# Altium PCB SP100 ATC CCU (PCB).PcbDoc (part 3 of 3)
Units mm, origin at the board's own origin, x right, y up, seen from the top; angles counter-clockwise.
Board outline 175.51 x 59.9 mm, 2 copper layers (Top Layer, Bottom Layer); 222 components, 146 nets, 708 pads, 190 vias.
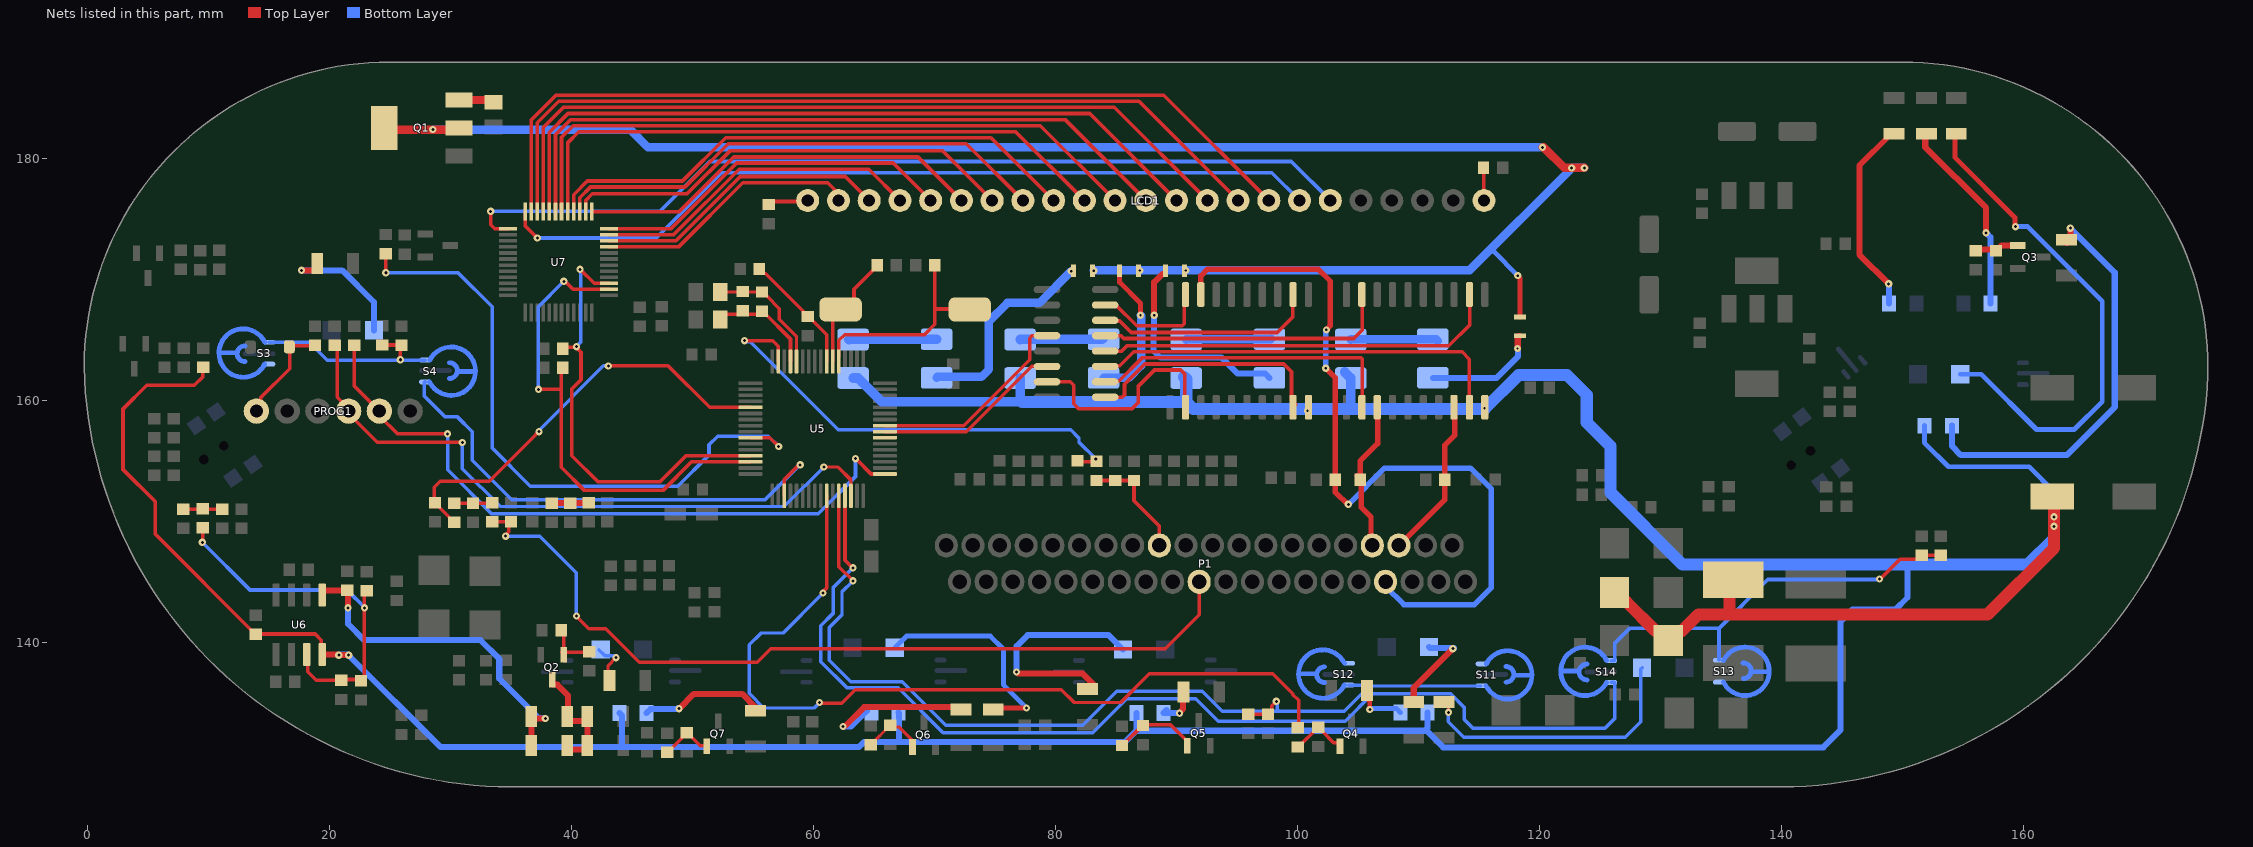
[diagram p3: the nets of this part, all layers, seen from the top]

## Via types
v1: diameter 0.6, hole 0.25, Top Layer to Bottom Layer, tented both sides, 151 vias
v2: diameter 0.6, hole 0.2, Top Layer to Bottom Layer, 39 vias

## Nets (pads, with @x,y where several pads share a name; then routed paths per layer and width w, separated by ;. In a path a pad name is that pad's centre, name@x,y a point inside that pad or via, vN(x,y) a via of type N, cw(c..) or ccw(c..) an arc to the next point about the centre after c; other vN are vias at no path point) (continued)
"LCD_Backlight (TIM3_CH3)": R26.1 U5.26 | length 53.5
  Top Layer w0.3: v1@24.663,170.434 24.689,170.459 v1(24.689,170.536) 24.689,172.104 R26.1@24.681,172.112 ; U5.26@54.826,156.908 56.417,156.908 v1(57.15,156.175)
  Bottom Layer w0.3: v1(24.689,170.536) 30.658,170.536 33.477,167.716 33.477,156.048 36.624,152.901 48.811,152.901 51.395,155.484 51.395,156.322 52.11,157.037 56.288,157.037 v1(57.15,156.175)
"LCD_SCL (I2C2_SCL)": R74.2 U5.29 U7.3 | length 36.5
  Top Layer w0.3: R74.2@39.319,164.313 39.395,164.389 40.31,164.389 40.324,164.375 40.462,164.375 40.462,164.319 40.818,163.963 40.818,161.696 40.056,160.934 40.056,155.423 42.215,153.264 47.346,153.264 49.49,155.408 U5.29@54.826,155.408 ; v1@40.825,170.75 41.905,169.67 U7.3@43.128,169.67
  Bottom Layer w0.3: v1@40.462,164.375 40.462,164.487 40.792,164.817 v1@40.792,170.84
  other v1: 40.45,164.425 40.742,170.815
"LCD_SDA (I2C2_SDA)": R75.2 U5.30 U7.2 | length 41.4
  Top Layer w0.3: v1(37.304,160.9) 37.329,160.925 39.192,160.925 ; R75.2@39.319,162.738 39.192,162.611 39.192,160.925 ; v1(39.4,169.825) 39.5,169.825 40.161,169.164 42.254,169.164 42.26,169.17 U7.2@43.128,169.17 ; U5.30@54.826,154.908 49.955,154.908 47.6,152.552 41.097,152.552 39.192,154.457 39.192,160.925
  Bottom Layer w0.3: v1(37.304,160.9) 37.287,160.917 37.287,167.712 v1(39.4,169.825)
MISO_SPI1: ?.14@79.325,162.795 U5.56 | length 15.5
  Top Layer w0.3: U5.56@65.926,157.408 66.82,157.408 72.65,157.408 78.051,162.809 79.134,162.809 ?.14@79.175,162.85
"MODE FEEDBAK": C56.1 P1.31 R47.1 | length 70.5
  Top Layer w0.28: v1(34.595,148.768) 34.595,148.881 34.849,149.135 34.849,149.784 C56.1@35.027,149.962 ; v1(40.437,142.164) 41.476,141.125 42.875,141.125 45.646,138.354 55.372,138.354 56.49,139.471 89.103,139.471 91.9,142.268 P1.31@91.9,145
  Top Layer w0.3: R47.1@33.477,149.962 C56.1@34.595,149.962
  Bottom Layer w0.28: v1@34.698,148.768 37.414,148.768 40.437,145.745 v1(40.437,142.164)
"MODE FEEDBAK(Ch.05)": C66.2 R62.2 U5.21 | length 35.2
  Top Layer w0.28: C66.2@28.686,151.212 28.686,152.816 29.185,153.314 33.223,153.314 36.775,156.866 v1@37.262,157.353 ; C66.2@28.966,151.305 29.025,151.305 29.118,151.212 29.118,151.153 29.978,150.293 29.978,150.253 30.308,149.923 R62.2@30.348,149.923 ; v1(43.078,162.839) 48.006,162.839 51.438,159.408 U5.21@54.826,159.408
  Bottom Layer w0.28: v1@37.363,157.531 42.672,162.839 v1(43.078,162.839)
  other v1: 37.338,157.404
"MODE MA +": ?.8@112.96,159.425 C37.2 P1.3 | length 13.8
  Top Layer w0.45: P1.3@108.4,148 112.197,151.797 C37.2@112.197,153.441 112.197,156.297 113,157.1 ?.8@113,159.9
"MODE MA -": ?.3@106.61,159.425 C38.2 P1.4 | length 12.8
  Top Layer w0.45: C38.2@104.962,153.778 104.962,153.726 105.089,153.599 C38.2@105.131,153.599 ; C38.2@105.2,153.401 105.2,153.441 105.2,154.975 106.65,156.425 ?.3@106.65,159.85 ; C38.2@105.207,153.441 105.207,153.401 105.3,153.308 105.3,151.138 106.096,150.343 P1.4@106.096,148.311
"Mode_SW (Ext.12)": C20.2 R10.2 S13.2 S14.2 U5.45 | length 125.4
  Top Layer w0.3: U5.45@62.626,152.108 62.626,146.772 v1@63.246,146.152 ; v1(148.107,145.225) 148.2,145.317 148.264,145.317 149.814,146.868 151.293,146.868 R10.2@151.613,147.188 152.989,147.188 C20.2@153.137,147.041
  Bottom Layer w0.3: v1@63.17,146.025 61.646,144.501 61.646,142.374 60.63,141.358 60.63,138.397 62.789,136.238 67.037,136.238 70.738,132.537 83.109,132.537 85.903,135.331 91.618,135.331 93.472,133.477 103.962,133.477 106.223,135.738 112.674,135.738 113.792,134.62 113.792,133.629 114.529,132.893 125.425,132.893 126.238,133.706 126.238,136.638 126.192,136.684 S14.2@125.94,136.684 ; S14.2@125.94,138.487 126.203,138.487 126.25,138.534 126.25,139.94 127.457,141.148 134.849,141.148 ; S13.2@134.861,138.544 134.849,138.557 134.849,141.148 ; v1(148.107,145.225) 148.069,145.186 138.887,145.186 134.849,141.148
  other v1: 63.297,146.152
MOSI_SPI1: ?.12@79.325,165.335 U5.57 | length 17.5
  Top Layer w0.28: U5.57@65.926,157.908 72.457,157.908 77.91,163.361 77.91,163.775 77.885,163.8 77.885,165.138 78.074,165.328 79.227,165.328 ?.12@79.296,165.396
Net1_1: 1.1 R47.2 R62.1 | length 2.9
  Top Layer w0.28: R62.1@30.175,151.503 R62.1@30.348,151.503 1.1@31.898,151.503 33.088,151.503 R47.2@33.096,151.511
NetC55_2: C55.2 Q2.1 R28.1 | length 4.3
  Top Layer w0.3: R28.1@39.172,140.995 39.39,140.777 39.39,139.222 Q2.1@39.446,139.167 ; Q2.1@39.243,139.167 Q2.1@39.446,139.167 ; Q2.1@39.472,139.141 Q2.1@39.446,139.167 ; C55.2@41.504,139.217 41.453,139.167 Q2.1@39.446,139.167
NetC68_2: C68.2 Q3.1 R54.2 | length 3.8
  Top Layer w0.5: R54.2@155.886,172.472 C68.2@157.734,172.472 ; C68.2@157.734,172.364 157.774,172.364 158.206,172.796 Q3.1@159.536,172.796
NetC69_2: C69.2 Q4.1 R55.2 | length 4.7
  Top Layer w0.28: R55.2@100.178,131.35 100.178,131.435 100.423,131.68 100.43,131.68 101.357,132.607 101.357,132.639 101.535,132.817 C69.2@101.575,132.817 ; C69.2@101.727,132.969 101.767,132.969 102.097,132.639 102.097,132.599 102.995,131.701 103.391,131.701 103.429,131.663 Q4.1@103.429,131.267
NetC70_2: C70.2 Q5.1 R56.2 | length 6.6
  Top Layer w0.3: R56.2@85.674,131.521 R56.2@85.682,131.521 ; R56.2@85.691,131.609 87.209,133.127 C70.2@87.249,133.127 ; C70.2@87.249,133.071 C70.2@87.3,133.071 ; C70.2@87.376,133.198 89.522,133.198 90.983,131.737 Q5.1@90.983,131.623
NetC71_2: C71.2 Q6.1 R52.2 | length 4.9
  Top Layer w0.25: R52.2@64.745,131.521 64.785,131.521 65.13,131.866 65.13,131.906 65.985,132.761 65.985,133.041 C71.2@66.167,133.223 ; C71.2@66.37,133.14 66.491,133.02 67.078,133.02 68.199,131.899 Q6.1@68.199,131.674
NetC72_2: C72.2 Q7.1 R57.2 | length 4.2
  Top Layer w0.28: R57.2@47.93,130.912 47.97,130.912 49.185,132.128 49.185,132.218 C72.2@49.301,132.334 ; C72.2@49.555,132.531 49.595,132.531 50.682,131.445 51.067,131.445 Q7.1@51.257,131.255
NetLCD1_1: LCD1.1 R73.1 | length 2.7
  Top Layer w0.3: LCD1.1@115.416,176.655 R73.1@115.416,179.199
  Top Layer w0.7: LCD1.1@115.316,176.555 LCD1.1@115.416,176.655 ; R73.1@115.392,179.222 R73.1@115.416,179.199
NetLCD1_23: LCD1.23 R72.1 | length 3.5
  Top Layer w0.3: R72.1@56.312,175.971 56.312,176.043 56.697,176.428 59.488,176.428 LCD1.23@59.56,176.5
NetLED1_2: LED1.2 R35.1 | length 42.3
  Top Layer w0.4: R35.1@154.356,182.016 154.356,180.044 159.309,175.091 v1@159.309,174.346
  Bottom Layer w0.4: LED1.2@154.782,162.154 156.515,162.154 161.087,157.582 164.211,157.582 166.522,159.893 166.522,168.173 160.35,174.346 v1(159.36,174.346)
NetLED2_2: LED2.2 R36.1 | length 10.6
  Top Layer w0.5: v1(17.729,170.739) 18.783,170.739 18.872,170.828 R36.1@18.872,170.84
  Bottom Layer w0.5: v1(17.729,170.739) 21.082,170.739 23.698,168.123 LED2.2@23.698,165.786
NetLED3_2: LED3.2 R37.1 | length 23.3
  Top Layer w0.28: R37.1@112.116,135.065 112.152,135.065 112.497,134.72 v1(112.497,134.214)
  Bottom Layer w0.28: v1@112.471,134.163 112.471,133.454 113.775,132.15 127.121,132.15 128.397,133.426 128.397,137.795 LED3.2@128.502,137.9
NetLED4_2: LED4.2 R38.1 | length 7.8
  Top Layer w0.5: R38.1@109.626,135.065 109.626,136.246 v1(112.852,139.471)
  Bottom Layer w0.5: LED4.2@110.891,139.598 110.967,139.522 112.747,139.522 112.76,139.51 112.941,139.51 v1@112.943,139.511
NetLED5_2: LED5.2 R39.1 | length 18.8
  Top Layer w0.5: v1(76.81,137.541) 76.937,137.414 82.271,137.414 R39.1@83.299,136.386
  Bottom Layer w0.5: v1(76.81,137.541) 76.81,139.675 77.724,140.589 84.411,140.589 LED5.2@85.6,139.4
NetLED6_2: LED6.2 R40.1 | length 18.1
  Top Layer w0.4: R40.1@75.082,134.493 75.159,134.569 v1(77.622,134.569)
  Bottom Layer w0.4: LED6.2@66.746,139.548 67.711,140.513 74.651,140.513 75.717,139.446 75.717,136.5 77.622,134.595 v1(77.622,134.569)
NetLED7_2: LED7.2 R41.1 | length 3.8
  Top Layer w0.28: R41.1@43.249,136.931 43.05,137.131 43.05,138.075 v1(43.7,138.725)
  Bottom Layer w0.28: LED7.2@42.3,139.4 42.8,138.9 v1@43.775,138.9
NetLED8_2: LED8.2 LED14.1 | length 7
  Bottom Layer w0.7: LED8.2@90.82,165.019 90.83,165.029 97.795,165.029 LED14.1@97.841,165.075
NetLED9_2: LED9.2 LED15.1 | length 6.9
  Bottom Layer w0.8: LED9.2@77.1,165.019 77.111,165.029 83.876,165.029 LED15.1@83.947,165.1
NetLED10_2: LED10.2 LED16.1 | length 7.2
  Bottom Layer w0.7: LED10.2@104.42,165.019 104.43,165.029 111.475,165.029 LED16.1@111.608,164.897
NetLED11_2: LED11.2 LED17.1 | length 7.2
  Bottom Layer w0.8: LED11.2@62.967,165.024 62.972,165.029 70.189,165.029 LED17.1@70.2,165.04
NetLED12_2: LED12.2 R33.1 | length 16.6
  Top Layer w0.5: v1(148.869,169.621) 146.456,172.034 146.456,179.399 148.896,181.839 R33.1@149.581,181.839
  Bottom Layer w0.5: v1@148.819,169.672 v1(148.869,169.621) 148.891,169.6 148.891,168.021 LED12.2@148.912,168
NetLED13_2: LED13.2 R34.1 | length 16.3
  Top Layer w0.5: R34.1@151.892,182.016 151.892,180.924 156.921,175.895 v1(156.921,173.838)
  Bottom Layer w0.5: v1(156.921,173.838) 157.288,173.471 LED13.2@157.288,168
NetLED14_2: LED14.2 R46.1 | length 17.4
  Top Layer w0.5: v2(88.175,167.025) 88.175,169.75 88.875,170.45 R46.1@89.075,170.45
  Bottom Layer w0.5: v2(88.175,167.025) 88.175,165.574 88.125,165.524 88.125,164.1 88.7,163.525 93.751,163.525 95.059,162.217 97.339,162.217 LED14.2@97.7,161.856
NetLED15_2: LED15.2 R43.1 | length 12.1
  Top Layer w0.4: R43.1@85.325,170.7 85.325,169.735 87.05,168.01 v2(87.05,167.025)
  Bottom Layer w0.7: LED15.2@84,161.856 86.09,161.856 87.1,162.866 87.1,166.975 v2(87.05,167.025)
NetLED16_2: LED16.2 R29.1 | length 9.7
  Top Layer w0.5: v2@118.219,164.256 118.219,165.275 118.269,165.325 R29.1@118.4,165.325
  Bottom Layer w0.5: LED16.2@111.2,161.856 116.481,161.856 118.25,163.625 v2@118.25,164.3
  other v2: 118.2,164.275
NetLED17_2: LED17.2 R76.2 | length 17.1
  Bottom Layer w0.7: LED17.2@70.2,161.856 70.273,161.929 73.904,161.929 74.525,162.55 74.525,166.524 76.052,168.051 78.701,168.051 v2(81.325,170.675)
NetLED18_2: LED18.2 R68.1 | length 3.6
  Top Layer w0.5: v1(90.272,134.137) 90.272,134.192 90.576,134.496 90.576,135.871 R68.1@90.595,135.89
  Bottom Layer w0.5: LED18.2@89.194,134.391 LED18.2@88.966,134.163 88.978,134.15 90.284,134.15 v1@90.297,134.137
NetLED19_2: LED19.2 R70.1 | length 10.1
  Top Layer w0.5: v1(48.92,134.518) 50.14,135.738 54.127,135.738 R70.1@55.232,134.633
  Bottom Layer w0.5: LED19.2@46.243,134.163 46.56,134.48 48.828,134.48 48.844,134.496 v1@48.844,134.569
NetLED20_2: LED20.2 R67.1 | length 3.3
  Top Layer w0.4: R67.1@105.899,135.23 105.994,135.135 v1(105.994,134.442)
  Bottom Layer w0.4: v1@106.197,134.518 108.205,134.518 LED20.2@108.524,134.2
NetLED21_2: LED21.2 R69.1 | length 12.6
  Top Layer w0.5: v1(62.459,133.045) 62.497,133.083 62.649,133.083 64.216,134.65 71.649,134.65 R69.1@71.831,134.468
  Bottom Layer w0.5: v1(62.459,133.045) 63.144,133.045 LED21.2@64.44,134.341
NetLED22_2: LED22.2 R66.1 | length 34.8
  Top Layer w0.5: R66.1@163.551,172.981 163.646,172.981 163.881,173.216 v1@163.881,174.194
  Bottom Layer w0.5: LED22.2@154.088,157.9 154.088,156.224 154.838,155.473 163.601,155.473 167.553,159.425 167.553,170.546 v1(163.881,174.219)
NetQ1_2: Q1.2 Q1.4 R29.2 R43.2 R46.2 R76.1 | length 152.8
  Top Layer w0.4: v2(118.225,170.3) 118.4,170.125 R29.2@118.4,166.875
  Top Layer w0.7: Q1.4@25.298,182.27 25.4,182.372 Q1.2@30.97,182.372 ; v1(120.275,180.9) 120.375,180.9 122.075,179.2 v1(122.675,179.2) 123.679,179.2 123.7,179.221 v1@123.7,179.225
  Bottom Layer w0.4: 116.225,172.55 116.225,172.3 v2(118.225,170.3)
  Bottom Layer w0.7: v1@28.575,182.372 44.882,182.372 46.354,180.9 v1(120.275,180.9) ; v2@83.181,170.75 114.25,170.75 122.7,179.2 v1(123.725,179.2)
  other v1: 28.575,182.375
  other v2: 83.2,170.7 87,170.725 90.8,170.725
NetQ1_3: Q1.3 R42.1 | length 2.9
  Top Layer w0.7: Q1.3@30.742,184.811 R42.1@33.681,184.811
NetQ2_3: Q2.3 R18.2 R19.1 R23.2 R24.1 | length 9.5
  Top Layer w0.5: Q2.3@38.44,136.754 38.44,136.538 38.47,136.508 38.853,136.508 39.739,135.623 39.739,133.972 R23.2@39.751,133.96 ; R18.2@39.675,131.124 41.338,131.124 R19.1@41.367,131.124 ; R23.2@39.675,133.512 41.338,133.512 41.338,131.153 R19.1@41.367,131.124 ; R19.1@41.402,131.089 R19.1@41.367,131.124 ; R19.1@41.478,131.191 41.412,131.124 R19.1@41.367,131.124
NetR27_2: R27.2 R30.1 R45.1 | length 3.1
  Top Layer w0.3: R45.1@7.95,151.008 11.044,151.008 R30.1@11.049,151.003
NetR51_2: R51.2 R64.1 R65.1 | length 2.8
  Top Layer w0.5: R64.1@38.405,151.522 40.956,151.522 R51.2@41.148,151.714
NRST: C11.2 R1.1 U5.7 | length 9.9
  Top Layer w0.28: C11.2@55.702,170.648 55.88,170.47 56.072,170.47 59.18,167.363 59.18,167.255 59.553,166.882 R1.1@59.568,166.882 ; R1.1@59.55,166.925 59.59,166.925 59.92,166.595 61.116,165.399 61.116,164.126 U5.7@61.116,163.218
OSC_IN: C9.2 U5.5 Y1.2 | length 17.5
  Top Layer w0.3: U5.5@62.126,163.65 62.126,164.951 62.6,165.425 69.2,165.425 70.055,166.28 70.055,167.545 ; C9.2@70.055,171.144 70.055,167.545 ; Y1.2@72.938,167.505 72.898,167.545 70.055,167.545
OSC_OUT: C8.2 U5.6 Y1.1 | length 9.8
  Top Layer w0.3: U5.6@61.626,163.208 61.626,166.682 62.444,167.5 Y1.1@62.575,167.5 ; Y1.1@62.27,167.505 62.546,167.505 63.37,168.329 63.37,169.178 65.15,170.959 C8.2@65.15,171.2
OUTA: C45.1 R18.1 R23.1 U6.1 | length 28.7
  Top Layer w0.5: U6.1@19.456,144.297 19.462,144.292 C45.1@21.488,144.292 ; v1(21.565,142.85) 21.558,142.856 21.558,144.265 C45.1@21.59,144.297 ; R18.1@36.715,131.124 36.715,133.096 R23.1@36.715,133.331 ; R23.1@36.715,133.868 36.879,133.704 37.805,133.704 v1@37.829,133.68
  Bottom Layer w0.5: v1(21.565,142.85) 21.565,141.529 22.911,140.183 32.512,140.183 34.061,138.633 34.061,137.008 37.306,133.763 37.814,133.763 v1(37.871,133.706)
OUTB: C52.2 R21.2 R27.1 R32.1 U6.7 | length 30.4
  Top Layer w0.3: v1@9.55,148.387 R27.1@9.55,149.454 ; U6.7@18.212,138.684 18.237,138.659 18.237,137.566 18.948,136.855 C52.2@20.904,136.855 ; C52.2@20.904,136.931 22.415,136.931 22.53,136.816 22.57,136.816 R32.1@22.89,137.136 ; R32.1@22.911,137.16 v1@22.911,142.621 ; v1@22.936,142.875 22.936,142.646 v1@22.911,142.621 ; R21.2@23.114,144.253 22.911,144.05 v1@22.911,142.621
  Bottom Layer w0.3: v1(9.525,148.26) 13.462,144.323 21.488,144.323 v1@22.936,142.875
  other v1: 22.936,142.85
POWER_SW(Ext.14): C21.2 R4.2 S3.2 S4.2 U5.35 | length 57.8
  Top Layer w0.3: C21.2@24.384,164.567 R4.2@26.01,164.567 ; v1(25.883,163.347) 25.883,164.389 R4.2@26.01,164.516 ; U5.35@57.626,152.108 57.626,153.467 58.801,154.642 v1@58.801,154.686
  Bottom Layer w0.3: S3.2@15.061,164.787 18.372,164.787 19.843,163.316 25.883,163.316 S4.2@27.939,163.316 ; S4.2@27.939,161.513 27.91,161.513 27.864,161.466 27.864,160.35 29.589,158.625 30.605,158.625 31.826,157.404 31.826,155.049 35.1,151.775 56.017,151.775 v1@58.953,154.711
  other v1: 58.928,154.661
"R-DEF LED": R55.1 U5.42 | length 70.9
  Top Layer w0.28: v1(60.528,135.026) 60.604,134.95 62.357,134.95 63.475,136.068 80.518,136.068 81.559,135.026 85.42,135.026 87.782,137.389 97.968,137.389 99.619,135.738 ; 99.606,135.725 100.125,135.206 100.125,133.258 R55.1@99.81,132.944
  Top Layer w0.3: v1@60.775,144.225 60.856,144.225 61.126,144.495 U5.42@61.126,152.108
  Bottom Layer w0.28: v1(60.528,135.026) 60.071,134.569 55.931,134.569 54.717,135.783 54.717,139.781 55.705,140.769 57.533,140.769 60.597,143.832
  other v1: 60.808,144.069
R_DEF: ?.18@92.035,168.735 C44.2 P1.24 | length 64.5
  Top Layer w0.45: ?.18@92.035,168.735 92.035,170.285 92.585,170.835 101.734,170.835 102.735,169.834 102.735,166.175 102.413,165.853 v2(102.413,165.812) ; v2(102.35,162.65) 103.155,161.845 C44.2@103.155,153.441 103.155,152.395 v1@104.18,151.37
  Bottom Layer w0.45: v2(102.35,162.65) 102.35,165.709 102.413,165.772 v2(102.413,165.812) ; v1(104.225,151.4) 107.225,154.4 114.318,154.4 116.027,152.691 116.027,144.501 114.63,143.104 108.814,143.104 107.3,144.617 P1.24@107.3,145
"R_DEF_SW (Ext.11)": C18.2 R8.2 S11.2 S12.2 U5.44 | length 79.2
  Top Layer w0.28: U5.44@62.126,152.108 62.126,146.256 63.232,145.15 v1@63.3,145.15 ; R8.2@95.961,134.061 C18.2@97.587,134.061 97.627,134.061 97.957,134.391 97.9,134.448 97.9,134.755 v1(98.273,135.128)
  Bottom Layer w0.28: v1@63.322,145.059 63.271,145.059 62.382,144.17 62.382,142.291 61.316,141.224 61.316,138.506 63.094,136.728 67.372,136.728 70.953,133.147 82.271,133.147 85.09,135.966 92.151,135.966 93.802,134.315 98.501,134.315 ; v1@98.171,135.179 98.353,134.997 98.353,134.463 98.501,134.315 ; S12.2@104.268,136.463 105.319,136.463 105.486,136.296 ; S11.2@115.153,136.387 105.562,136.387 105.562,135.992 103.886,134.315 98.501,134.315
  other v1: 63.297,145.085
SCLK_SPI1: U5.55
SEG0: LCD1.22 U7.9 | length 21.7
  Top Layer w0.3: U7.9@43.128,172.67 48.871,172.67 54.178,177.978 61.209,177.978 61.794,177.393 61.794,177.239 62.01,177.023 LCD1.22@62.164,177.023
SEG1: LCD1.21 U7.10 | length 24.2
  Top Layer w0.3: U7.10@43.128,173.17 48.663,173.17 53.979,178.486 62.654,178.486 64.364,176.776 LCD1.21@64.364,176.708
SEG2: LCD1.20 U7.11 | length 27.5
  Top Layer w0.3: U7.11@43.128,173.67 48.456,173.67 53.882,179.095 64.585,179.095 67.18,176.5 67.252,176.428 LCD1.20@67.259,176.428
SEG3: LCD1.19 U7.12 | length 29.9
  Top Layer w0.3: U7.12@43.128,174.17 48.249,174.17 53.682,179.603 66.617,179.603 69.545,176.675 LCD1.19@69.545,176.657
SEG4: LCD1.18 U7.13 | length 33.9
  Top Layer w0.3: U7.13@41.708,175.59 41.708,175.565 48.895,175.565 53.434,180.103 68.657,180.103 LCD1.18@72.212,176.548
SEG5: LCD1.17 U7.14 | length 37.5
  Top Layer w0.3: U7.14@41.208,175.59 41.208,176.514 41.758,177.063 49.581,177.063 53.121,180.603 70.697,180.603 74.277,177.023 LCD1.17@74.61,177.023
SEG6: LCD1.16 U7.15 | length 41.3
  Top Layer w0.3: U7.15@40.708,175.844 40.708,176.725 41.605,177.622 49.403,177.622 52.974,181.193 72.647,181.193 LCD1.16@77.34,176.5
SEG7: LCD1.15 U7.16 | length 45.2
  Top Layer w0.3: U7.16@40.208,175.59 40.208,176.987 41.343,178.122 49.196,178.122 52.767,181.693 74.687,181.693 LCD1.15@79.88,176.5
SEG8: LCD1.14 U7.17 | length 50.9
  Top Layer w0.3: U7.17@39.708,175.852 39.708,181.262 40.639,182.193 76.727,182.193 LCD1.14@82.42,176.5
SEG9: LCD1.13 U7.18 | length 54.9
  Top Layer w0.3: U7.18@39.208,175.59 39.208,181.728 40.173,182.693 78.767,182.693 LCD1.13@84.96,176.5
SEG10: LCD1.12 U7.19 | length 58.4
  Top Layer w0.3: U7.19@38.708,175.59 38.708,181.935 39.966,183.193 80.807,183.193 LCD1.12@87.5,176.5
SEG11: LCD1.11 U7.20 | length 61.9
  Top Layer w0.3: U7.20@38.208,175.59 38.208,182.15 39.751,183.693 82.847,183.693 LCD1.11@89.985,176.555
SEG12: LCD1.10 U7.21 | length 65.7
  Top Layer w0.3: U7.21@37.708,175.59 37.708,182.539 39.37,184.201 84.879,184.201 LCD1.10@92.58,176.5
SEG13: LCD1.9 U7.22 | length 69.5
  Top Layer w0.3: U7.22@37.208,175.59 37.208,182.928 38.981,184.701 86.919,184.701 94.938,176.682 LCD1.9@95.275,176.682
SEG14: LCD1.8 U7.23 | length 72.7
  Top Layer w0.3: U7.23@36.708,175.56 U7.23@36.708,175.59 ; U7.23@36.708,175.849 36.708,183.165 38.744,185.201 88.959,185.201 LCD1.8@97.66,176.5
SEG15: LCD1.7 U7.24 | length 68.8
  Top Layer w0.3: U7.24@36.208,175.59 36.208,174.395 37.135,173.469 v1@37.135,173.38
  Bottom Layer w0.3: v1(37.211,173.406) 47.041,173.406 52.435,178.8 97.9,178.8 LCD1.7@100.2,176.5
SEG16: LCD1.6 U7.25 | length 75.1
  Top Layer w0.3: v1(33.35,175.616) 33.35,174.498 33.678,174.17 U7.25@34.788,174.17
  Bottom Layer w0.3: v1(33.35,175.616) 47.346,175.616 51.455,179.725 99.515,179.725 LCD1.6@102.74,176.5
SHIFT1: ?.2@90.765,159.425 ?.15@79.325,161.525 | length 18.2
  Top Layer w0.3: ?.15@79.325,161.525 81.25,161.525 81.525,161.25 81.525,159.7 81.925,159.3 86.35,159.3 86.875,159.825 86.875,161.175 88.2,162.5 90.375,162.5 90.7,162.175 90.7,159.675 ?.2@90.85,159.525
SHIFT2: ?.1@84.125,160.255 ?.9@99.655,159.425 | length 20.2
  Top Layer w0.3: ?.1@84.125,160.255 85.549,160.255 85.725,160.431 85.725,161.325 87.4,163 98.875,163 99.525,162.35 99.525,160 ?.9@99.875,159.65
SHIFT3: ?.2@84.125,161.525 ?.2@105.34,159.425 | length 26
  Top Layer w0.3: ?.2@84.125,161.525 84.182,161.582 85.257,161.582 87.175,163.5 105.299,163.5 105.375,163.424 ?.2@105.375,159.525
SHIFT4: ?.3@84.125,162.795 ?.9@114.23,159.425 | length 34.5
  Top Layer w0.3: ?.3@84.125,162.795 84.17,162.84 85.34,162.84 86.5,164 113.625,164 114.225,163.4 ?.9@114.225,159.75
SHIFT5: ?.4@84.125,164.065 ?.12@114.23,168.735 | length 34
  Top Layer w0.3: ?.4@84.125,164.065 85.49,164.065 85.925,164.5 112.525,164.5 114.27,166.245 ?.12@114.27,169.21
SHIFT6: ?.5@84.125,165.335 ?.19@105.34,168.735 | length 25.2
  Top Layer w0.3: ?.5@84.125,165.335 85.44,165.335 85.675,165.1 104.675,165.1 105.375,165.8 ?.19@105.375,169.4
SHIFT7: ?.6@84.125,166.605 ?.12@99.655,168.735 | length 19
  Top Layer w0.3: ?.6@84.125,166.605 84.182,166.548 85.327,166.548 86.275,165.6 98.35,165.6 99.625,166.875 ?.12@99.625,169.4
SHIFT8: ?.7@84.125,167.875 ?.19@90.765,168.735 | length 10.2
  Top Layer w0.3: ?.7@84.125,167.875 85.006,167.875 86.731,166.15 90.499,166.15 90.675,166.326 90.675,169.025 ?.19@90.825,169.175
SWDCLK: PROG1.2 R3.2 U5.49 | length 56.5
  Top Layer w0.3: R3.2@22.089,164.541 22.089,161.172 PROG1.2@23.978,159.283 ; PROG1.2@24.155,159.106 24.155,158.725 25.654,157.226 v1(29.794,157.226) ; v1@63.553,155.141 64.786,153.908 U5.49@65.926,153.908
  Bottom Layer w0.3: v1(29.794,157.226) 29.794,154.254 33.426,150.622 60.427,150.622 63.5,153.695 v1(63.5,155.175)
SWDIO: PROG1.3 R2.2 U5.46 | length 54.9
  Top Layer w0.28: R2.2@20.676,164.338 20.676,160.267 21.615,159.327 21.615,158.877 23.978,156.515 v1(31.013,156.515) ; v1(60.884,154.483) 62.055,154.483 63.126,153.412 U5.46@63.126,152.108
  Bottom Layer w0.28: v1(31.013,156.515) 31.013,154.356 34.144,151.225 57.626,151.225 v1(60.884,154.483)
VDD: C7.2 D4.1 PROG1.6 | length 8.5
  Top Layer w0.3: PROG1.6@13.995,159.106 14.34,159.45 14.34,160.212 16.739,162.611 16.739,164.318 16.937,164.516 C7.2@18.796,164.516
VDDA: C58.2 C59.1 L1.2 U5.13 | length 8.8
  Top Layer w0.3: L1.2@52.324,167.107 54.178,167.107 55.753,167.107 C58.2@55.916,167.27 ; C58.2@55.778,167.367 55.818,167.367 C58.2@55.916,167.27 ; U5.13@58.126,163.208 58.126,165.06 C58.2@55.916,167.27
VP: ?.10@100.925,159.425 ?.10@115.5,159.425 C13.1 C46.2 D1.2 D2.1 LED8.1 LED9.1 LED10.1 LED11.1 LED18.1 LED19.1 LED20.1 LED21.1 LED22.1 R58.1 TVS2.2 U6.8 | length 380.4
  Top Layer w0.3: R58.1@9.55,162.585 9.55,161.925 8.865,161.239 4.928,161.239 2.972,159.283 2.972,154.28 5.625,151.626 5.625,148.945 13.905,140.665 C46.2@13.945,140.665 ; C46.2@14.041,140.691 18.847,140.691 19.364,140.173 19.364,139.064 U6.8@19.431,138.998
  Top Layer w0.5: U6.8@19.431,138.998 v1@20.803,138.998 ; v1(20.803,138.938) v1(21.615,138.938)
  Top Layer w1: D2.1@126.238,144.12 126.238,144.056 126.944,143.35 127.186,143.35 129.608,140.927 130.104,140.927 130.226,140.805 D1.2@130.226,140.589 ; D1.2@130.81,140.157 130.81,140.221 131.516,140.927 131.783,140.927 133.147,142.291 157.043,142.291 162.535,147.782 v1(162.535,149.581) ; TVS2.2@135.713,145.307 135.713,142.569 135.814,142.469 ; C13.1@162.472,152.044 162.535,151.982 v1(162.535,150.368) v1@162.535,149.809
  Bottom Layer w0.4: LED22.1@151.825,157.925 151.825,156.5 153.817,154.508 160.477,154.508 162.575,152.41 162.575,150.408 v1(162.535,150.368)
  Bottom Layer w0.5: v1@20.803,138.976 21.577,138.976 v1(21.615,138.938) ; v1@21.565,138.989 29.21,131.343 63.779,131.343 64.211,131.775 85.776,131.775 86.741,132.74 ; LED19.1@43.993,134.163 44.221,133.934 44.221,131.572 ; LED21.1@67.062,134.2 67.107,134.155 67.107,131.851 ; LED18.1@86.716,134.163 86.716,132.766 86.741,132.74 ; 110.693,132.69 112.058,131.325 143.466,131.325 144.907,132.766 144.907,141.732 145.872,142.697 149.422,142.697 150.425,143.7 150.425,146.431 ; LED20.1@110.774,134.2 110.774,132.923 110.541,132.69 86.792,132.69 86.741,132.74
  Bottom Layer w0.8: LED11.1@63.3,161.835 63.705,161.835 65.672,159.868 77.1,159.868 LED9.1@77.1,161.835 ; LED10.1@103.925,162.33 LED10.1@104.42,161.835 104.42,159.275
  Bottom Layer w1: 77.15,159.975 77.264,159.861 90.825,159.861 ; LED8.1@90.65,161.925 90.825,161.75 90.825,159.861 ; v2@115.425,159.275 104.42,159.275 100.85,159.275 91.411,159.275 90.825,159.861 ; v2@115.5,159.3 118.275,162.075 122.3,162.075 123.927,160.448 123.927,158.166 125.882,156.21 125.882,152.375 131.826,146.431 150.425,146.431 160.376,146.431 162.509,148.565 ; 162.535,148.565 v1(162.535,149.581) v1(162.535,150.368)
  other v2: 100.85,159.125 115.475,159.325
VSSA: C58.1 C59.2 L2.2 U5.12 | length 10.3
  Top Layer w0.28: L2.2@52.363,168.947 54.178,168.947 C58.1@55.778,168.947 ; C58.1@55.798,168.967 56.148,168.617 57.201,167.565 57.201,166.678 58.626,165.253 U5.12@58.626,163.208
"WATER SENSOR": C60.2 P1.12 R48.2 R59.2 | length 8.9
  Top Layer w0.3: R59.2@83.409,153.373 R48.2@84.959,153.373 C60.2@86.508,153.373 86.508,151.693 88.595,149.606 88.595,148.438 P1.12@88.621,148.412
"WATER SENSOR(Ch.01)": C61.2 R59.1 U5.15 | length 39.3
  Top Layer w0.28: v1(54.331,164.922) 56.667,164.922 57.126,164.464 U5.15@57.126,163.208 ; C61.2@81.839,154.992 81.916,154.915 R59.1@83.409,154.915 ; v1(83.35,155.15) 83.409,155.091 R59.1@83.409,154.953
  Bottom Layer w0.28: v1(54.331,164.922) 54.43,164.823 54.811,164.823 62.074,157.56 81.276,157.56 81.968,156.868 81.968,156.532 v1(83.35,155.15)
pads on no net: ?.9@79.325,169.145 D5.3 DZ1.2 DZ2.2 P1.7 P1.8 P1.11 P1.15 P1.16 P1.17 P1.18 P1.19 P1.20 P1.27 P1.28 P1.33 P1.34 P1.38 P1.39 P1.40 PROG1.4 PROG1.5 S1.29 S1.30 S2.29 S2.30 U5.2 U5.3 U5.4 U5.8 U5.9 U5.10 U5.11 U5.28 U5.38 U5.51 U5.52 U5.53 U7.26 U7.27 U7.28 U7.29 U7.30 U7.31 U7.32 U7.33 U7.34 U7.35 U7.36 U7.37 U7.38 U7.39 U7.40 U7.41 U7.42 U7.43 U7.44 U7.45 U7.46 U7.47 U7.48
copper on no net: | length 22
  Top Layer w0.3: 133.472,158.013 ccw(c129.972,158.013) 133.472,158.013

## Polygon pours and split planes (outlines as drawn)
GND on Top Layer "GND_L01_P001" (solid, remove dead copper, pour order 1): 33.965,128.05 ccw(c33.975,128.3) 33.991,128.05 ccw(c33.975,128.3) 33.991,128.05 ccw(c34.006,128.3) 34.007,128.05 140.887,128.05 ccw(c140.925,128.297) 140.935,128.047 ccw(c139.545,163.77) 141.002,128.05 141.005,128.05 ccw(c141.006,128.3) 141.03,128.051 ccw(c139.545,163.77) 175.255,162.082 ccw(c175.005,162.094) 175.256,162.094 ccw(c175.005,162.094) 175.251,162.143 ccw(c150.006,162.7) 175.257,162.7 ccw(c150.006,162.7) 150.006,187.95 ccw(c150.006,187.7) 150.005,187.95 25.006,187.95 cw(c25.006,187.7) 25.007,187.95 25.006,187.95 ccw(c25.006,162.7) -0.244,162.782 ccw(c0,162.725) -0.25,162.719 ccw(c35.344,163.629)
GND on Bottom Layer "GND_L02_P000" (solid, remove dead copper, pour order 0): 33.965,128.05 ccw(c33.975,128.3) 33.991,128.05 ccw(c33.975,128.3) 33.991,128.05 ccw(c34.006,128.3) 34.007,128.05 140.887,128.05 ccw(c140.925,128.297) 140.935,128.047 ccw(c139.545,163.77) 141.002,128.05 141.005,128.05 ccw(c141.006,128.3) 141.03,128.051 ccw(c139.545,163.77) 175.255,162.082 ccw(c175.005,162.094) 175.256,162.094 ccw(c175.005,162.094) 175.251,162.143 ccw(c150.006,162.7) 175.257,162.7 ccw(c150.006,162.7) 150.006,187.95 ccw(c150.006,187.7) 150.005,187.95 25.006,187.95 cw(c25.006,187.7) 25.007,187.95 25.006,187.95 ccw(c25.006,162.7) -0.244,162.782 ccw(c0,162.725) -0.25,162.719 ccw(c35.344,163.629)

## Other copper
Bottom Layer:
  region net GND: 132 vertices and 3 holes, not listed, extent 125.652,131.784 149.966,145.725
  region net GND: 298 vertices and 1 holes, not listed, extent 80.035,134.662 123.489,143.476
  region net GND: 72.991,139.179 73.291,139.088 73.566,138.941 73.808,138.742 74.006,138.501 74.154,138.225 74.192,138.099 74.116,137.997 73.527,137.997 73.445,138.195 73.277,138.414 73.057,138.582 72.802,138.688 72.627,138.711 72.624,138.712 72.528,138.724 72.501,138.721 72.355,138.692 72.223,138.603 72.134,138.471 72.103,138.315 72.115,138.255 72.014,138.128 71.291,138.128 71.224,138.241 71.263,138.331 71.354,138.501 71.552,138.742 71.794,138.941 72.07,139.088 72.369,139.179 72.68,139.209
  region net GND: 68.485,141.179 68.634,141.08 68.794,141.048 68.781,140.921 67.711,140.921 67.555,140.89 67.423,140.801 67.119,140.498 65.796,140.498 65.796,138.598 67.696,138.598 67.696,139.921 67.88,140.105 72.195,140.105 72.21,139.98 71.757,139.842 71.34,139.62 70.975,139.32 70.675,138.954 70.666,138.937 70.223,138.937 70.067,138.906 69.934,138.817 69.846,138.685 69.815,138.529 69.846,138.373 69.934,138.24 69.992,138.202 69.986,138.053 69.895,137.993 69.795,137.842 69.76,137.665 69.795,137.488 69.832,137.433 69.831,137.43 69.748,137.33 69.571,137.365 69.356,137.322 69.174,137.201 69.053,137.019 69.01,136.804 69.053,136.59 69.144,136.453 69.045,136.372 68.341,137.076 68.404,137.193 68.575,137.159 68.811,137.206 69.01,137.34 69.134,137.525 67.886,137.525 67.88,137.521 67.817,137.564 67.684,137.59 63.586,137.59 62.695,138.48 62.744,138.598 64.196,138.598 64.196,139.849 67.006,142.658 hole: 68.575,138.391 68.339,138.344 68.14,138.21 68.016,138.025 69.134,138.025 69.01,138.21 68.811,138.344
  region net GND: 71.623,137.202 72.031,137.202 72.132,137.075 72.12,137.015 72.151,136.859 72.239,136.727 72.372,136.638 72.528,136.607 72.528,136.606 72.802,136.642 73.057,136.748 73.277,136.916 73.445,137.136 73.464,137.181 74.101,137.181 74.176,137.079 74.154,137.004 74.006,136.728 73.808,136.487 73.566,136.288 73.291,136.141 72.991,136.05 72.68,136.019 72.369,136.05 72.07,136.141 71.794,136.288 71.552,136.487 71.354,136.728 71.258,136.909 71.25,136.905 71.177,137.014 71.085,137.075 71.123,137.2 71.123,137.665 71.623,137.665

## Silkscreen, mask and mechanical layers (free items; w line width, h text height)
Top Overlay:
  circle w0.2: c144.5,169.8 r1.6
  circle w0.2: c161.2,167 r1.6
  circle w0.2: c150.2,154.075 r1.6
  circle w0.2: c19.025,154.2 r1.6
  circle w0.2: c30.4,166.7 r1.6
  circle w0.2: c13.6,169.5 r1.6
  circle w0.254: c59.461,171.094 r2.8
  circle w0.254: c120.904,157.074 r3
  circle w0.254: c24.816,151.79 r3
  circle w0.254: c18.948,175.793 r3
  circle w0.254: c149.911,175.997 r3
  circle w0.254: c156.134,151.867 r3
  circle w0.254: c129.949,158 r5
  circle w0.254: c45.025,157.8 r5
  lines w0.18: 72.103,146.964 72.103,148.964 ; 73.195,144.017 73.195,146.017 ; 74.288,146.964 74.288,148.964 ; 75.379,144.017 75.379,146.017 ; 76.497,146.964 76.497,148.964 ; 77.589,144.017 77.589,146.017 ; 78.696,146.956 78.696,148.956 ; 79.799,144.017 79.799,146.017 ; 80.891,146.964 80.891,148.964 ; 82.009,144.017 82.009,146.017 ; 83.101,146.964 83.101,148.964 ; 84.193,144.017 84.193,146.017 ; 85.285,146.964 85.285,148.964 ; 86.403,144.017 86.403,146.017 ; 87.495,146.964 87.495,148.964 ; 88.587,144.017 88.587,146.017 ; 89.705,146.964 89.705,148.964 ; 90.797,144.017 90.797,146.017 ; 91.889,146.964 91.889,148.964 ; 93.007,144.017 93.007,146.017 ; 94.099,146.964 94.099,148.964 ; 95.191,144.017 95.191,146.017 ; 96.284,146.964 96.284,148.964 ; 97.401,144.017 97.401,146.017 ; 98.493,146.964 98.493,148.964 ; 99.586,144.017 99.586,146.017 ; 100.703,146.964 100.703,148.964 ; 101.795,144.017 101.795,146.017 ; 102.888,146.964 102.888,148.964 ; 104.005,144.017 104.005,146.017 ; 105.097,146.964 105.097,148.964 ; 106.19,144.017 106.19,146.017 ; 107.307,146.964 107.307,148.964 ; 108.399,144.017 108.399,146.017 ; 109.492,146.964 109.492,148.964 ; 110.609,144.017 110.609,146.017 ; 111.701,146.964 111.701,148.964 ; 112.794,144.017 112.794,146.017
  lines w0.2: 60.835,174.504 60.835,178.504 ; 63.38,174.511 63.38,178.511 ; 65.915,174.504 65.915,178.504 ; 68.353,174.504 68.353,178.504 ; 69.3,146.475 115.525,146.475 ; 70.993,174.529 70.993,178.529 ; 73.51,174.504 73.51,178.504 ; 76.064,174.479 76.064,178.479 ; 78.59,174.504 78.59,178.504 ; 81.13,174.511 81.13,178.511 ; 83.695,174.504 83.695,178.504 ; 86.21,174.504 86.21,178.504 ; 88.78,174.511 88.78,178.511 ; 91.315,174.504 91.315,178.504 ; 93.855,174.486 93.855,178.486 ; 96.38,174.511 96.38,178.511 ; 98.91,174.504 98.91,178.504 ; 101.463,174.504 101.463,178.504 ; 104.015,174.504 104.015,178.504 ; 106.53,174.511 106.53,178.511 ; 109.07,174.504 109.07,178.504 ; 111.61,174.504 111.61,178.504 ; 114.175,174.504 114.175,178.504
  text "2023-Jun-28 / Rev.0.2" at 73.961,179.375 h3
  text "G" at 26.45,155.325 h0.8
  text "V" at 13.475,155.275 h0.8
  text "D" at 21.3,155.275 h0.8
  text "C" at 23.875,155.275 h0.8
Bottom Overlay:
  lines w0.2: 69.3,146.475 115.525,146.525 ; 12.497,157.655 28.143,157.655 28.143,159.918 27.559,160.503 12.497,160.503 12.497,157.655
  text "20" at 69.275,147.9 h1
  text "1" at 116.15,147.85 h1
  text "21" at 116.7,144.6 h1
  text "40" at 69.275,143.875 h1
Mechanical 1:
  circle w0.3: c132.832,180.3 r1.3
  circle w0.3: c42.081,180.1 r1.3
  circle w0.3: c160.506,177.1 r1.5
  circle w0.3: c29.806,177 r1.5
  circle w0.3: c143.206,176.2 r1.5
  circle w0.3: c12.306,176 r1.5
  circle w0.3: c149.906,176 r1.5
  circle w0.3: c19.006,175.8 r1.5
  circle w0.3: c51.306,172.8 r1
  circle w0.3: c122.206,172.5 r1
  circle w0.3: c59.456,171.1 r1.5
  circle w0.3: c144.506,169.8 r1.25
  circle w0.3: c13.606,169.5 r1.2
  circle w0.3: c161.206,167 r1.25
  circle w0.3: c30.406,166.7 r1.2
  circle w0.3: c129.956,158 r2.75
  circle w0.3: c45.032,157.8 r2.75
  circle w0.3: c120.906,157.1 r1.5
  circle w0.3: c19.006,154.2 r1.25
  circle w0.3: c150.206,154.1 r1.25
  circle w0.3: c156.206,151.8 r1.6
  circle w0.3: c24.806,151.8 r1.6
  circle w0.3: c17.006,149.4 r1.5
  circle w0.3: c148.406,149.3 r1.5
  circle w0.3: c119.006,145.351 r1.5
  circle w0.3: c56.006,145.351 r1.5
  circle w0.3: c148.006,137 r1.5
  circle w0.013: c27.057,136.8 r1.5
  circle w0.3: c141.506,134 r1.5
  circle w0.013: c33.506,133.851 r1.5
  lines w0.3: 149.006,160.75 149.006,156.45 150.597,156.45 150.597,159.299 155.448,159.299 155.448,156.45 157.006,156.45 157.006,160.75 ; 149.006,160.801 157.006,160.801 ; 175,162.16 ccw(c175.085,162.16) 175.025,162.1 ; 136.809,154.896 138.406,156.1 141.536,151.947 139.939,150.743 136.809,154.896 ; 147.106,165.35 ccw(c147.206,165.35) 147.206,165.25 159.006,165.25 ccw(c159.006,165.35) 159.106,165.35 159.106,166.75 ccw(c159.006,166.75) 159.006,166.85 154.006,166.85 cw(c154.006,166.95) 153.906,166.95 153.906,172.35 ccw(c153.806,172.35) 153.806,172.45 152.406,172.45 ccw(c152.406,172.35) 152.306,172.35 152.306,166.95 cw(c152.206,166.95) 152.206,166.85 147.206,166.85 ccw(c147.206,166.75) 147.106,166.75 147.106,165.35
  lines w0.5: 0,162.725 ccw(c35.344,163.629) 33.975,128.3 ; 0.006,162.7 cw(c25.006,162.7) 25.006,187.7 ; 140.925,128.297 ccw(c139.545,163.77) 175.005,162.094 ; 174.999,162.076 ccw(c150.006,162.7) 150.006,187.7 ; 25.006,187.7 150.006,187.7 ; 25.006,187.7 150.006,187.7 ; 25.006,187.7 25.006,187.7 ; 34.006,128.3 141.006,128.3 ; 34.006,128.3 141.006,128.3 ; 34.006,128.3 34.006,128.3 ; 141.006,128.3 141.006,128.3 ; 150.006,187.7 150.006,187.7
Mechanical 4:
  lines w0.2: 44.933,168.326 48.108,171.501 48.108,171.577 ; 48.057,171.425 48.057,171.602

## Text inside footprints (layer, text, board x,y; h text height)
C31: Top Overlay "+" at 53.137,151.066 h0.84 r180
C32: Top Overlay "+" at 65.375,151.25 h0.84 r270